# Altium PCB BlueberryPiCore.PcbDoc (part 3 of 3)
Units mm, origin at the board's own origin, x right, y up, seen from the top; angles counter-clockwise.
Board outline 31 x 24 mm, 6 copper layers (Top Layer, GND1, SIG1, SIG2, PWR, Bottom Layer), stack 0.748 mm thick; 90 components, 183 nets, 829 pads, 387 vias.
Unrouted connection lines stored in the file: 15.
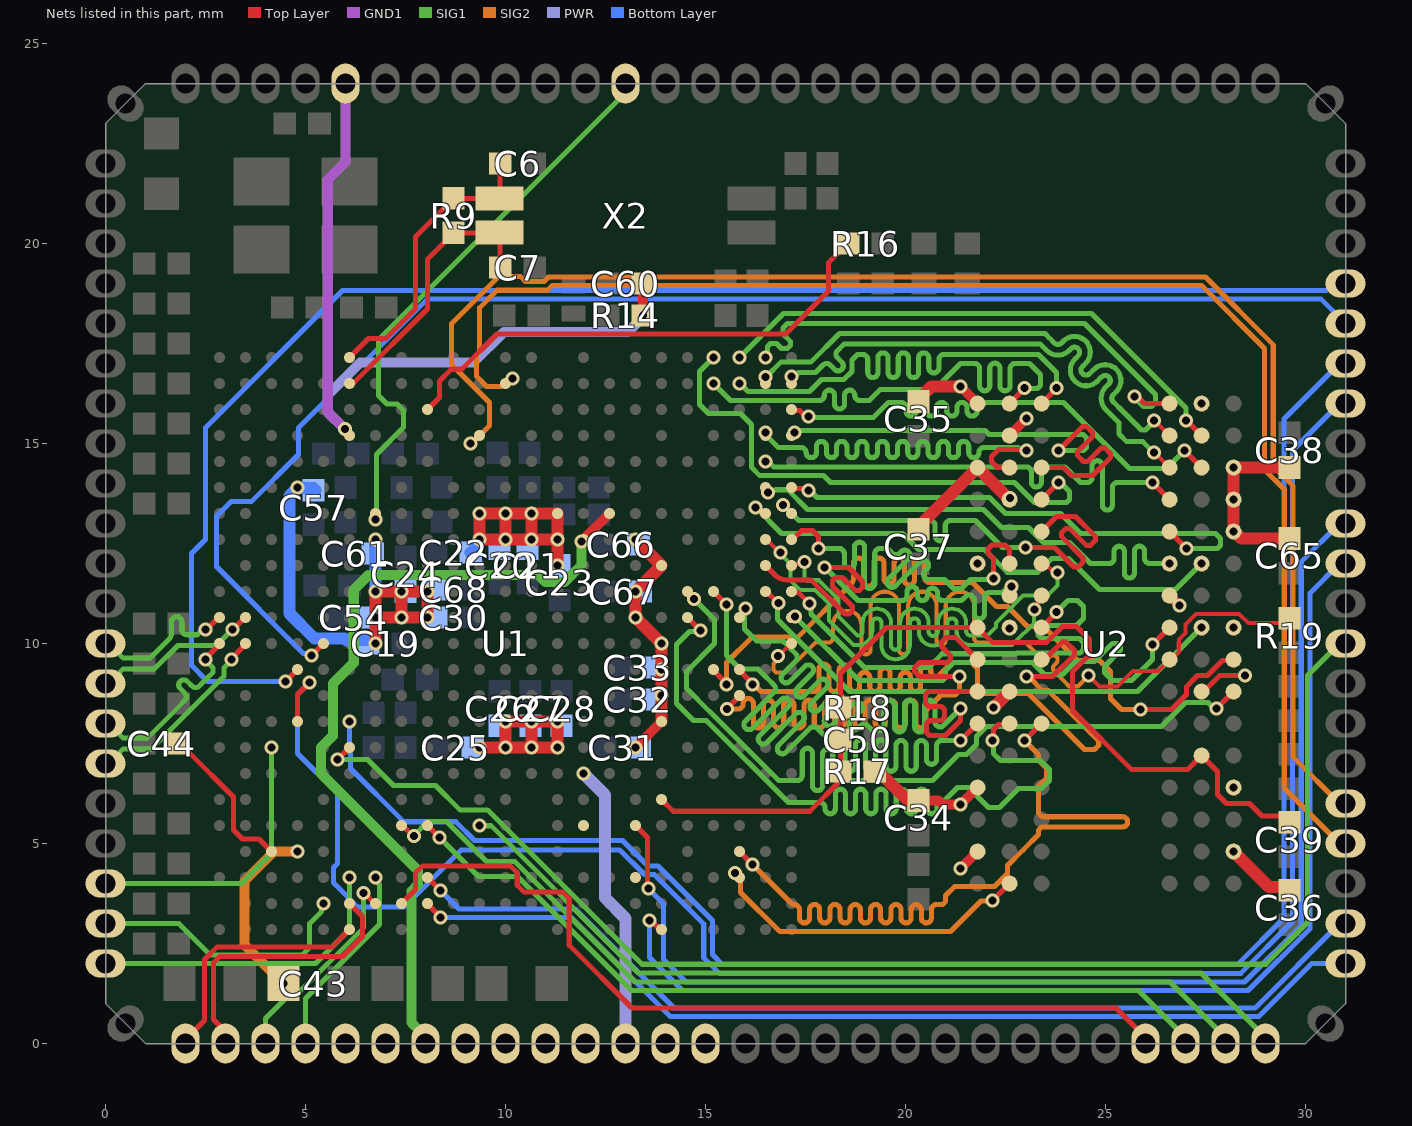
[diagram p7: the nets of this part, all layers, seen from the top]

## Via types
v1: diameter 0.35, hole 0.2, Top Layer to Bottom Layer, tented both sides, 387 vias

## Nets (pads, with @x,y where several pads share a name; then routed paths per layer and width w, separated by ;. In a path a pad name is that pad's centre, name@x,y a point inside that pad or via, vN(x,y) a via of type N, cw(c..) or ccw(c..) an arc to the next point about the centre after c; other vN are vias at no path point) (continued)
SCK_P: R19.1 U1.AC12 U2.J7 | length 25.3
  Top Layer w0.102: v1(16.813,9.687) 16.825,9.687 17.138,10 U1.AC12@17.15,10 ; v1(24.575,9.198) 24.847,8.926 25.3,8.926 25.689,9.314 26.314,9.314 U2.J7@26.6,9.6 26.649,9.6 26.832,9.783 26.832,9.867 26.831,10.031 ; 26.832,10.032 26.832,10.095 27,10.264 27,10.481 27.259,10.74 28.341,10.74 28.569,10.512 29.479,10.512 R19.1@29.6,10.633
  SIG2 w0.102: v1(16.813,9.687) 16.813,9.607 16.699,9.494 16.699,9.342 16.766,9.275 17,9.275 17.75,10.025 17.9,10.025 18.071,10.025 ccw(c18.071,10.139) 18.186,10.139 18.186,10.463 cw(c18.541,10.463) 18.897,10.463 18.897,9.844 ccw(c19.011,9.844) 19.126,9.844 19.126,10.939 cw(c19.481,10.939) 19.837,10.939 19.837,9.844 ccw(c19.951,9.844) 20.065,9.844 20.065,10.939 cw(c20.421,10.939) 20.777,10.939 20.777,10.084 ccw(c20.891,10.084) 21.005,10.084 21.005,10.939 cw(c21.361,10.939) 21.716,10.939 21.716,10.139 ccw(c21.831,10.139) 21.831,10.025 22.45,10.025 22.997,10.025 23.361,9.661 23.397,9.625 ccw(c23.478,9.706) 23.558,9.625 23.608,9.675 cw(c23.689,9.594) 23.77,9.675 cw(c23.689,9.594) 23.77,9.513 23.72,9.463 ccw(c23.801,9.382) 23.72,9.302 23.948,9.073 24.09,8.932 24.309,8.932 v1(24.575,9.198)
SCKE0: U1.W14 U2.K9 | length 22
  Top Layer w0.127: U1.W14@14.55,11.3 14.55,11.288 14.712,11.126 v1(14.712,11.113) ; v1(27.775,8.375) U2.K9@28.2,8.8
  SIG1 w0.127: v1(14.712,11.113) 15.227,10.598 15.227,10.002 14.522,9.297 14.522,8.879 15.108,8.293 15.11,8.293 16.829,6.575 16.954,6.575 17.291,6.575 ccw(c17.291,6.702) 17.418,6.702 17.418,7.256 cw(c17.545,7.256) 17.672,7.256 17.672,6.45 ccw(c17.799,6.45) 17.926,6.45 17.926,7.232 cw(c18.053,7.232) 18.18,7.232 18.18,6.702 ccw(c18.307,6.702) 18.307,6.575 18.625,6.575 20.677,6.575 21.324,7.223 21.521,7.223 21.775,7.477 21.775,7.673 22.029,7.927 26.402,7.927 27,8.525 27.564,8.525 27.714,8.375 v1(27.775,8.375)
SCKE1: U1.Y11 U2.J9 | length 21.3
  Top Layer w0.127: U1.Y11@15.2,9.35 15.2,9.327 15.525,9.002 v1(15.525,8.98) ; v1(25.875,8.35) 25.877,8.352 26.651,8.352 27.023,8.725 27.023,8.922 27.301,9.199 27.549,9.199 27.926,9.576 28.176,9.576 U2.J9@28.2,9.6
  SIG2 w0.127: v1(15.525,8.98) 15.525,9.523 16.161,10.159 17.309,10.159 18.573,11.423 18.636,11.486 ccw(c18.483,11.639) 18.7,11.639 18.7,12.009 cw(c18.827,12.009) 18.954,12.009 18.954,11.557 ccw(c19.081,11.557) 19.208,11.557 19.208,12.009 cw(c19.335,12.009) 19.462,12.009 19.462,11.625 ccw(c19.589,11.625) 19.716,11.625 19.716,12.009 cw(c19.843,12.009) 19.97,12.009 19.97,11.589 ccw(c20.097,11.589) 20.224,11.589 20.224,12.009 cw(c20.351,12.009) 20.478,12.009 20.478,11.652 ccw(c20.605,11.652) 20.605,11.525 21.223,11.525 21.675,11.525 22.275,10.925 22.547,10.925 23.047,10.425 23.45,10.425 24.3,9.575 24.85,9.575 25.123,9.302 25.123,8.627 25.4,8.35 v1(25.875,8.35)
SCS0: U1.W13 U2.L2 | length 22
  Top Layer w0.127: U1.W13@14.55,10.65 v1(14.875,10.325) ; v1(22.175,7.575) 22.199,7.599 22.199,7.849 22.326,7.976 22.576,7.976 U2.L2@22.6,8
  SIG1 w0.127: v1(14.875,10.325) 14.851,10.301 14.601,10.301 14.275,9.975 14.275,8.5 14.697,8.078 15.021,8.078 17.073,6.025 17.2,6.025 17.863,6.025 cw(c17.863,5.898) 17.99,5.898 17.99,5.87 ccw(c18.117,5.87) 18.244,5.87 18.244,6.232 cw(c18.371,6.232) 18.498,6.232 18.498,5.87 ccw(c18.625,5.87) 18.752,5.87 18.752,6.232 cw(c18.879,6.232) 19.006,6.232 19.006,5.87 ccw(c19.133,5.87) 19.26,5.87 19.26,6.232 cw(c19.387,6.232) 19.514,6.232 19.514,5.87 ccw(c19.641,5.87) 19.768,5.87 19.768,6.232 cw(c19.895,6.232) 20.022,6.232 20.022,5.87 ccw(c20.149,5.87) 20.276,5.87 20.276,6.232 cw(c20.403,6.232) 20.53,6.232 20.53,5.87 ccw(c20.657,5.87) 20.784,5.87 20.784,5.898 cw(c20.911,5.898) 20.911,6.025 20.927,6.025 20.975,6.073 21.302,6.4 21.575,6.4 22.075,5.9 22.35,5.9 22.825,6.375 23.4,6.375 23.6,6.575 23.6,6.85 23.375,7.075 22.373,7.075 22.195,7.253 22.195,7.555 v1(22.175,7.575)
SCS1: U1.Y14 U2.L1 | length 22
  Top Layer w0.127: U1.Y14@15.2,11.3 v1(15.525,10.975) ; v1(21.375,7.575) U2.L1@21.8,8
  SIG1 w0.127: v1(15.525,10.975) 15.525,9.7 15.865,9.36 16.315,9.36 16.525,9.15 16.57,9.105 16.715,8.96 cw(c16.625,8.87) 16.715,8.78 15.997,8.062 ccw(c16.086,7.972) 15.997,7.882 ccw(c16.086,7.972) 16.176,7.882 16.895,8.601 cw(c16.984,8.511) 17.074,8.601 cw(c16.984,8.511) 17.074,8.421 16.356,7.703 ccw(c16.446,7.613) 16.356,7.523 ccw(c16.446,7.613) 16.535,7.523 17.254,8.242 cw(c17.344,8.152) 17.433,8.242 cw(c17.344,8.152) 17.433,8.062 16.832,7.46 ccw(c16.921,7.371) 16.832,7.281 ccw(c16.921,7.371) 17.011,7.281 17.613,7.882 cw(c17.703,7.793) 17.793,7.882 17.838,7.838 18.046,7.629 18.1,7.575 18.364,7.575 cw(c18.364,7.448) 18.491,7.448 18.491,6.933 ccw(c18.618,6.933) 18.745,6.933 18.745,7.464 cw(c18.872,7.464) 18.999,7.464 18.999,6.933 ccw(c19.126,6.933) 19.253,6.933 19.253,7.464 cw(c19.38,7.464) 19.507,7.464 19.507,6.933 ccw(c19.634,6.933) 19.761,6.933 19.761,7.448 cw(c19.888,7.448) 20.015,7.448 20.015,6.933 ccw(c20.142,6.933) 20.269,6.933 20.269,7.448 cw(c20.396,7.448) 20.523,7.448 20.523,7.107 ccw(c20.65,7.107) 20.777,7.107 20.777,7.448 cw(c20.904,7.448) 20.904,7.575 21.327,7.575 v1(21.375,7.575)
SDC0-CLK: pad.23 U1.F2 | length 7.1
  Top Layer w0.127: pad.23@3,0 3,0.3 2.7,0.6 2.7,2.02 2.855,2.175 5.925,2.175 6.425,2.675 6.425,3.175 U1.F2@6.1,3.5
SDC0-CMD: pad.25 U1.G3 | length 5
  SIG1 w0.127: pad.25@5,0 5,1.125 6.85,2.975 6.85,3.976 6.75,4.076 v1(6.75,4.15)
SDC0-D0: pad.21 U1.F3 | length 7.7
  SIG1 w0.127: pad.21@0.009,2 5.25,2 6.1,2.85 v1(6.1,4.15)
SDC0-D1: pad.20 U1.E2 | length 6.7
  SIG1 w0.127: pad.20@0,3 1.831,3 2.615,2.216 4.916,2.216 5.098,2.398 5.098,2.996 5.398,3.296 5.398,3.448 v1(5.45,3.5)
SDC0-D2: pad.24 U1.G2 | length 5.3
  Top Layer w0.127: v1(6.452,3.762) 6.47,3.762 6.732,3.5 U1.G2@6.75,3.5
  SIG1 w0.127: pad.24@4,0 4,0.625 4.523,1.148 4.703,1.148 6.452,2.897 v1(6.452,3.762)
SDC0-D3: pad.22 U1.F1 | length 6.2
  Top Layer w0.127: pad.22@2,0 2,0.1 2.475,0.575 2.475,2.1 2.783,2.408 5.658,2.408 U1.F1@6.1,2.85
SDC0-DET: pad.19 U1.C8 | length 7.1
  SIG1 w0.127: pad.19@0,4 3.4,4 4.15,4.75 v1(4.15,7.4)
SDQ0: U1.AB18 U2.F7 | length 12.8
  SIG1 w0.127: v1(16.564,13.775) 16.616,13.827 16.727,13.827 16.745,13.845 17.057,13.845 17.552,13.35 21.95,13.35 22.4,12.9 23.075,12.9 23.45,12.525 24.1,12.525 24.625,12 25.025,12 25.089,12 ccw(c25.089,12.127) 25.216,12.127 25.216,12.304 cw(c25.343,12.304) 25.47,12.304 25.47,11.764 ccw(c25.597,11.764) 25.724,11.764 25.724,12.304 cw(c25.851,12.304) 25.978,12.304 25.978,12.127 ccw(c26.105,12.127) 26.105,12 26.3,12 v1(26.6,12)
SDQ1: U1.AC17 U2.E3 | length 12.9
  Top Layer w0.127: v1(23,12.4) 23.725,12.4 24.21,11.915 24.315,11.915 24.435,12.035 24.435,12.14 23.903,12.672 23.903,12.778 23.997,12.872 24.103,12.872 24.52,12.455 24.626,12.455 24.745,12.574 24.745,12.68 24.25,13.175 23.775,13.175 U2.E3@23.4,12.8
  SIG1 w0.127: v1(16.94,13.463) 17.328,13.075 20.296,13.075 20.613,13.075 cw(c20.613,12.948) 20.74,12.948 20.74,12.695 ccw(c20.867,12.695) 20.994,12.695 20.994,12.948 cw(c21.121,12.948) 21.121,13.075 21.44,13.075 21.75,13.075 22.425,12.4 v1(23,12.4)
SDQ2: U1.AB17 U2.F8 | length 12.9
  Top Layer w0.127: v1(16.253,13.398) 16.311,13.398 16.459,13.25 U1.AB17@16.5,13.25
  SIG1 w0.127: v1(16.253,13.398) 16.9,12.75 19.925,12.75 20.323,12.352 21.971,12.352 22.542,11.781 23.308,11.781 23.654,12.127 24.073,12.127 24.85,11.35 26.75,11.35 v1(27.4,12)
SDQ3: U1.AC16 U2.F2 | length 12.9
  Top Layer w0.127: U1.AC16@17.15,12.6 17.181,12.6 17.406,12.825 17.675,12.825 17.825,12.675 v1(17.825,12.375) ; v1(22.2,11.625) 22.2,12.123 22.064,12.259 22.064,12.364 22.163,12.463 22.487,12.463 22.6,12.35 U2.F2@22.6,12
  SIG1 w0.127: v1(17.825,12.375) 18.025,12.375 18.343,12.375 cw(c18.343,12.248) 18.47,12.248 18.47,12.013 ccw(c18.597,12.013) 18.724,12.013 18.724,12.407 cw(c18.851,12.407) 18.978,12.407 18.978,11.505 ccw(c19.105,11.505) 19.232,11.505 19.232,12.248 cw(c19.359,12.248) 19.359,12.375 19.55,12.375 19.625,12.3 19.67,12.255 ccw(c19.76,12.345) 19.85,12.255 19.892,12.298 cw(c19.982,12.208) 20.072,12.298 cw(c19.982,12.208) 20.072,12.118 19.575,11.622 ccw(c19.665,11.532) 19.575,11.442 ccw(c19.665,11.532) 19.755,11.442 20.36,12.047 cw(c20.449,11.957) 20.539,12.047 cw(c20.449,11.957) 20.539,11.867 20.489,11.817 ccw(c20.579,11.727) 20.579,11.6 20.975,11.6 21.2,11.375 21.4,11.375 21.625,11.6 22.175,11.6 v1(22.2,11.625)
SDQ4: U1.AB15 U2.G2 | length 12.9
  Top Layer w0.127: U1.AB15@16.5,11.95 16.736,11.714 ; 16.736,11.714 ccw(c17.029,12.006) 17.029,11.592 ; 17.03,11.592 17.633,11.592 18.485,10.74 18.59,10.74 18.672,10.822 18.672,10.928 18.175,11.425 18.175,11.576 18.249,11.65 18.425,11.65 18.745,11.33 18.851,11.33 18.925,11.404 18.925,11.55 18.575,11.9 v1(17.975,11.9)
  SIG1 w0.127: v1@17.998,11.889 18.813,11.075 19.85,11.075 19.914,11.075 ccw(c19.914,11.202) 20.041,11.202 20.041,11.295 cw(c20.168,11.295) 20.295,11.295 20.295,11.201 ccw(c20.422,11.201) 20.549,11.201 20.549,11.257 cw(c20.676,11.257) 20.803,11.257 20.803,11.202 ccw(c20.93,11.202) 20.93,11.075 21.125,11.075 21.275,11.075 21.4,11.075 21.503,11.178 cw(c21.593,11.088) 21.72,11.088 21.72,10.742 ccw(c21.847,10.742) 21.974,10.742 21.974,11.146 cw(c22.101,11.146) 22.101,11.273 22.3,11.273 22.418,11.273 22.574,11.429 v1(22.648,11.429)
SDQ5: U1.AB14 U2.H8 | length 12.9
  Top Layer w0.127: U1.AB14@16.5,11.3 16.523,11.3 16.805,11.018 v1(16.827,11.018)
  SIG1 w0.127: v1(16.827,11.018) 16.798,10.988 16.798,10.602 18.6,8.8 25.8,8.8 v1(27.4,10.4)
SDQ6: U1.AC14 U2.H3 | length 12.8
  Top Layer w0.127: U1.AC14@17.15,11.3 17.178,11.272 17.328,11.272 v1(17.6,11) ; U2.H3@23.4,10.4 v1@23.775,10.775
  SIG1 w0.127: v1(17.6,11) 17.637,10.963 17.637,10.738 18.975,9.4 20.575,9.4 20.918,9.743 ; 20.918,9.743 22.756,9.743 22.778,9.766 24.366,9.766 24.45,9.85 24.45,10.025 24.35,10.125 23.391,10.125 23.317,10.199 23.317,10.305 23.462,10.45 24.275,10.45 24.45,10.625 24.45,10.925 24.3,11.075 24.062,11.075 v1(23.775,10.787)
SDQ7: U1.AC13 U2.H7 | length 12.8
  Top Layer w0.127: v1(26.175,9.975) U2.H7@26.6,10.4
  SIG1 w0.127: v1(17.239,10.67) 18.834,9.075 20.923,9.075 20.998,9.149 20.998,9.321 21.204,9.527 23.171,9.527 23.473,9.225 23.925,9.225 24.25,9.55 24.721,9.55 25.171,10 25.296,10 25.37,9.926 25.37,9.82 24.974,9.424 24.974,9.276 25.175,9.075 25.65,9.075 26.175,9.6 v1(26.175,9.975)
SDQ8: U1.AB19 U2.D7 | length 13.4
  Top Layer w0.127: v1(26.175,14.025) U2.D7@26.6,13.6
  SIG1 w0.127: v1(16.5,14.55) 16.574,14.55 16.708,14.416 22.7,14.416 23.018,14.416 cw(c23.018,14.289) 23.145,14.289 23.145,14.037 ccw(c23.272,14.037) 23.399,14.037 23.399,14.289 cw(c23.526,14.289) 23.526,14.416 23.825,14.416 23.984,14.416 24.375,14.025 24.475,14.025 24.539,14.025 ccw(c24.539,14.152) 24.666,14.152 24.666,14.445 cw(c24.793,14.445) 24.92,14.445 24.92,13.463 ccw(c25.047,13.463) 25.174,13.463 25.174,13.898 cw(c25.301,13.898) 25.301,14.025 25.55,14.025 v1(26.175,14.025)
SDQ9: U1.AC20 U2.C3 | length 13.4
  Top Layer w0.127: U2.C3@23.4,14.4 23.95,14.4 24.15,14.2 24.675,14.2 25.122,14.647 25.122,14.753 24.99,14.885 24.885,14.885 24.553,14.553 24.447,14.553 24.304,14.696 24.304,14.801 24.674,15.171 24.674,15.276 24.528,15.422 24.422,15.422 v1(23.825,14.825)
  SIG1 w0.127: v1(17.225,15.275) 17.273,15.323 21.991,15.323 22.088,15.225 24.445,15.225 24.525,15.145 24.525,14.899 24.451,14.825 v1(23.825,14.825)
SDQ10: U1.AC21 U2.C8 | length 13.4
  Top Layer w0.127: U1.AC21@17.15,15.85 17.179,15.821 17.356,15.821 17.501,15.675 v1(17.575,15.675) ; v1(26.975,14.825) U2.C8@27.4,14.4
  SIG1 w0.127: v1(17.575,15.675) 17.602,15.648 19.193,15.648 19.57,16.025 19.888,16.025 cw(c19.888,15.898) 20.015,15.898 20.015,15.81 ccw(c20.142,15.81) 20.269,15.81 20.269,15.899 cw(c20.396,15.899) 20.523,15.899 20.523,15.81 ccw(c20.65,15.81) 20.777,15.81 20.777,15.899 cw(c20.904,15.899) 21.031,15.899 21.031,15.81 ccw(c21.158,15.81) 21.285,15.81 21.285,15.899 cw(c21.412,15.899) 21.539,15.899 21.539,15.81 ccw(c21.666,15.81) 21.793,15.81 21.793,15.898 cw(c21.92,15.898) 21.92,16.025 22.275,16.025 23.95,16.025 25.6,14.375 26.027,14.375 26.029,14.377 26.321,14.377 26.323,14.375 26.525,14.375 v1(26.975,14.825)
SDQ11: U1.AB20 U2.C2 | length 13.4
  Top Layer w0.127: U2.C2@22.6,14.4 22.298,14.4 22.152,14.546 22.152,14.677 22.322,14.847 23.001,14.847 v1(23.024,14.825)
  SIG1 w0.127: v1(16.5,15.279) 16.5,15.22 16.82,14.9 17.175,14.9 17.389,14.9 cw(c17.389,14.773) 17.516,14.773 ; 17.516,14.773 ccw(c17.643,14.773) 17.77,14.773 17.77,14.927 cw(c17.897,14.927) 18.024,14.927 18.024,14.773 ccw(c18.151,14.773) 18.278,14.773 18.278,14.927 cw(c18.405,14.927) 18.532,14.927 18.532,14.773 ccw(c18.659,14.773) 18.786,14.773 18.786,14.927 cw(c18.913,14.927) 19.04,14.927 19.04,14.773 ccw(c19.167,14.773) 19.294,14.773 19.294,14.927 cw(c19.421,14.927) 19.548,14.927 19.548,14.773 ccw(c19.675,14.773) 19.802,14.773 19.802,14.927 cw(c19.929,14.927) 20.056,14.927 20.056,14.773 ccw(c20.183,14.773) 20.31,14.773 20.31,14.927 cw(c20.437,14.927) 20.564,14.927 20.564,14.773 ccw(c20.691,14.773) 20.818,14.773 20.818,14.927 cw(c20.945,14.927) 21.072,14.927 21.072,14.773 ccw(c21.199,14.773) 21.326,14.773 21.326,14.927 cw(c21.453,14.927) 21.58,14.927 21.58,14.773 ccw(c21.707,14.773) 21.834,14.773 ; 21.834,14.773 cw(c21.961,14.773) 21.961,14.9 22.025,14.9 22.813,14.9 22.836,14.877 22.972,14.877 v1(23.024,14.825)
SDQ12: U1.AB23 U2.A7 | length 13.4
  Top Layer w0.127: v1(25.725,16.175) 25.799,16.175 25.974,16 U2.A7@26.6,16
  SIG1 w0.127: v1(16.5,17.15) 16.548,17.198 16.548,17.426 16.622,17.5 16.775,17.5 16.9,17.375 17.046,17.375 17.12,17.449 17.12,17.555 16.937,17.738 16.937,17.888 17.05,18 24.475,18 26.25,16.225 26.25,16.025 26.152,15.927 25.948,15.927 25.725,16.15 v1(25.725,16.175)
SDQ13: U1.AA23 U2.B8 | length 13.4
  Top Layer w0.127: v1@27.025,15.575 U2.B8@27.4,15.2
  SIG1 w0.127: v1(15.85,17.15) 16.95,18.25 24.65,18.25 27.012,15.888 v1(27.012,15.575)
SDQ14: U1.AA22 U2.A3 | length 13.4
  Top Layer w0.127: U2.A3@23.4,16 v1@23.775,16.375
  SIG1 w0.127: v1(15.85,16.5) 15.861,16.5 16.061,16.3 17.6,16.3 17.9,16.6 18.459,16.6 18.66,16.801 18.66,17.085 18.675,17.101 18.799,17.225 18.929,17.225 cw(c18.929,17.098) 19.056,17.098 19.056,16.774 ccw(c19.183,16.774) 19.31,16.774 19.31,17.14 cw(c19.437,17.14) 19.564,17.14 19.564,16.774 ccw(c19.691,16.774) 19.818,16.774 19.818,17.14 cw(c19.945,17.14) 20.072,17.14 20.072,16.774 ccw(c20.199,16.774) 20.326,16.774 20.326,17.14 cw(c20.453,17.14) 20.58,17.14 20.58,16.891 ccw(c20.707,16.891) 20.834,16.891 20.834,17.098 cw(c20.961,17.098) 20.961,17.225 21.152,17.225 23.325,17.225 23.775,16.775 v1(23.775,16.387)
SDQ15: U1.Y22 U2.A2 | length 13.4
  Top Layer w0.127: U2.A2@22.6,16 v1@22.975,16.375
  SIG1 w0.127: v1(15.2,16.5) 15.625,16.075 16.763,16.075 17.842,16.075 ccw(c17.842,16.202) 17.969,16.202 17.969,16.208 cw(c18.096,16.208) 18.223,16.208 18.223,15.99 ccw(c18.35,15.99) 18.477,15.99 18.477,16.208 cw(c18.604,16.208) 18.731,16.208 18.731,16.202 ccw(c18.858,16.202) 18.858,16.075 19.068,16.075 19.093,16.075 19.368,16.35 20.725,16.35 20.963,16.588 21.375,17 21.725,17 cw(c21.725,16.873) 21.852,16.873 21.852,16.444 ccw(c21.979,16.444) 22.106,16.444 22.106,16.882 cw(c22.233,16.882) 22.36,16.882 22.36,16.444 ccw(c22.487,16.444) 22.614,16.444 22.614,16.873 cw(c22.741,16.873) 22.741,17 22.975,17 23.1,17 23.375,16.725 23.375,16.45 23.3,16.375 22.987,16.375 v1(22.975,16.387)
SDQM0: U1.AC18 U2.E7 | length 12.8
  Top Layer w0.127: U1.AC18@17.15,13.9 17.179,13.871 v1@17.529,13.871 ; U2.E7@26.6,12.8 v1(27.025,12.375)
  SIG1 w0.127: v1(17.575,13.825) 17.611,13.825 17.788,13.648 22.102,13.648 22.5,13.25 23.252,13.25 23.254,13.248 23.546,13.248 23.548,13.25 23.875,13.25 24.375,12.75 27.752,12.75 27.875,12.627 27.875,12.45 27.801,12.375 v1(27.025,12.375)
SDQM1: U1.Y23 U2.D3 | length 13.4
  Top Layer w0.127: U2.D3@23.4,13.6 v1(23.825,14.025)
  SIG1 w0.127: v1(15.2,17.15) 14.847,16.798 14.847,15.978 15.075,15.75 15.875,15.75 16.148,15.477 16.148,14.404 16.354,14.198 16.646,14.198 16.649,14.2 17.95,14.2 18.125,14.025 22.724,14.025 23.224,13.525 24.026,13.525 24.1,13.599 24.1,13.8 23.875,14.025 v1(23.825,14.025)
SDQS0_N: U1.AB16 U2.G3 | length 12.9
  Top Layer w0.102: U1.AB16@16.5,12.6 16.523,12.6 16.848,12.275 v1(16.87,12.275) ; v1(23.225,10.857) 23.282,10.914 23.282,11.002 23.4,11.119 U2.G3@23.4,11.2
  SIG1 w0.102: v1(16.87,12.275) 16.87,12.241 17.125,11.986 17.125,11.575 17.36,11.34 17.741,11.34 18.085,10.996 18.085,10.578 18.641,10.022 18.704,9.959 18.812,9.959 ccw(c18.812,10.314) 19.168,10.314 19.168,10.516 cw(c19.282,10.516) 19.282,10.63 cw(c19.282,10.516) 19.396,10.516 19.396,9.959 ccw(c19.752,9.959) 19.752,9.603 ccw(c19.752,9.959) 20.107,9.959 20.107,10.516 cw(c20.222,10.516) 20.222,10.63 cw(c20.222,10.516) 20.336,10.516 20.336,10.302 ccw(c20.692,10.302) 20.692,9.947 ccw(c20.692,10.302) 21.047,10.302 21.047,10.516 cw(c21.162,10.516) 21.162,10.63 cw(c21.162,10.516) 21.276,10.516 21.276,10.314 ccw(c21.631,10.314) 21.631,9.959 22.049,9.959 22.659,9.959 22.734,10.034 22.741,10.034 23.211,10.504 23.211,10.842 v1(23.225,10.857)
SDQS0_P: U1.AC15 U2.F3 | length 12.9
  Top Layer w0.102: U1.AC15@17.15,11.95 17.184,11.984 17.425,11.984 v1(17.475,12.034) ; U2.F3@23.4,12 23.481,12 23.649,11.832 23.743,11.832 v1(23.8,11.775)
  SIG1 w0.102: v1(17.475,12.034) 17.475,11.641 17.535,11.581 17.841,11.581 18.326,11.096 18.326,10.678 18.641,10.363 18.804,10.2 18.812,10.2 ccw(c18.812,10.314) 18.926,10.314 18.926,10.516 cw(c19.282,10.516) 19.282,10.872 cw(c19.282,10.516) 19.638,10.516 19.638,9.959 ccw(c19.752,9.959) 19.752,9.845 ccw(c19.752,9.959) 19.866,9.959 19.866,10.516 cw(c20.222,10.516) 20.222,10.872 cw(c20.222,10.516) 20.577,10.516 20.577,10.302 ccw(c20.692,10.302) 20.692,10.188 ccw(c20.692,10.302) 20.806,10.302 20.806,10.516 cw(c21.162,10.516) 21.162,10.872 cw(c21.162,10.516) 21.517,10.516 21.517,10.314 ccw(c21.631,10.314) 21.631,10.2 22.049,10.2 22.26,10.411 22.26,10.515 22.459,10.714 22.943,11.196 23.546,11.196 23.8,11.45 v1(23.8,11.775)
SDQS1_N: U1.AB22 U2.B7 | length 13.4
  Top Layer w0.102: v1@26.225,15.575 U2.B7@26.6,15.2
  SIG1 w0.127: v1(16.5,16.661) 16.51,16.661 16.89,17.042 17.64,17.042 18.348,17.75 23.485,17.75 23.581,17.654 23.682,17.554 23.721,17.515 ccw(c23.81,17.604) 23.9,17.515 23.947,17.561 cw(c24.225,17.283) 24.458,17.6 24.464,17.6 24.503,17.561 ; 24.503,17.004 24.425,16.926 ccw(c24.515,16.836) 24.425,16.746 ccw(c24.515,16.836) 24.604,16.746 24.713,16.855 cw(c24.991,16.576) 25.224,16.894 25.231,16.894 25.269,16.855 25.309,16.816 25.309,16.809 cw(c24.991,16.576) 25.27,16.298 ; 24.503,17.004 ccw(c24.225,17.283) 24.542,17.515 24.542,17.522 24.504,17.561 ; 25.269,16.297 25.193,16.221 ccw(c25.283,16.132) 25.193,16.042 25.425,15.811 25.525,15.71 25.897,15.339 26.002,15.339 26.213,15.55 v1(26.213,15.575)
SDQS1_P: U1.AC22 U2.C7 | length 13.4
  Top Layer w0.102: v1@26.225,14.775 U2.C7@26.6,14.4
  SIG1 w0.127: v1(17.15,16.675) 17.224,16.675 17.324,16.775 17.677,16.775 17.751,16.775 17.938,16.963 cw(c18.028,16.873) 18.118,16.963 18.227,16.854 ccw(c18.317,16.943) 18.406,16.854 ccw(c18.317,16.943) 18.406,17.033 18.297,17.142 cw(c18.387,17.232) 18.297,17.322 18.433,17.457 18.459,17.483 23.375,17.483 23.393,17.465 23.493,17.365 23.531,17.327 ccw(c23.81,17.604) 24.09,17.327 24.135,17.372 cw(c24.225,17.283) 24.315,17.193 24.236,17.114 ccw(c24.515,16.836) 24.236,16.557 ccw(c24.515,16.836) 24.793,16.557 24.902,16.666 cw(c24.991,16.576) 25.082,16.487 25.006,16.411 ccw(c25.283,16.132) 25.006,15.853 25.236,15.622 25.336,15.522 25.336,15.239 25.528,15.047 25.932,15.047 26.204,14.775 v1(26.213,14.775)
SODT0: U1.AA13 U2.K1 | length 22.1
  Top Layer w0.127: U1.AA13@15.85,10.65 15.85,10.686 16.004,10.84 v1(16.004,10.876) ; v1(21.375,8.375) 21.375,8.073 21.002,7.7 20.599,7.7 20.525,7.774 20.525,8.001 20.599,8.075 20.901,8.075 20.975,8.149 20.975,8.351 20.901,8.425 20.574,8.425 20.5,8.499 20.5,8.726 20.574,8.8 U2.K1@21.8,8.8
  SIG1 w0.127: v1(16.004,10.876) 15.977,10.849 15.977,10.365 16.278,10.065 16.935,10.065 17.069,9.931 17.114,9.886 17.258,9.742 cw(c17.168,9.653) 17.258,9.563 16.927,9.233 ccw(c17.017,9.143) 16.927,9.053 ccw(c17.017,9.143) 17.107,9.053 17.485,9.431 cw(c17.574,9.341) 17.664,9.431 cw(c17.574,9.341) 17.664,9.251 17.287,8.873 ccw(c17.376,8.784) 17.287,8.694 ccw(c17.376,8.784) 17.466,8.694 17.844,9.071 cw(c17.934,8.982) 18.023,9.071 cw(c17.934,8.982) 18.023,8.892 17.646,8.514 ccw(c17.736,8.424) 17.646,8.335 ccw(c17.736,8.424) 17.825,8.335 18.203,8.712 cw(c18.293,8.622) 18.383,8.712 cw(c18.293,8.622) 18.383,8.533 18.005,8.155 ccw(c18.095,8.065) 18.005,7.975 ccw(c18.095,8.065) 18.185,7.975 18.704,8.494 cw(c18.793,8.404) 18.883,8.494 cw(c18.793,8.404) 18.883,8.315 18.629,8.06 ccw(c18.719,7.97) 18.629,7.881 ccw(c18.719,7.97) 18.808,7.881 18.874,7.946 cw(c18.964,7.857) 19.054,7.946 19.099,7.901 19.175,7.825 19.275,7.825 19.339,7.825 ccw(c19.339,7.952) 19.466,7.952 19.466,8.457 cw(c19.593,8.457) 19.72,8.457 19.72,7.918 ccw(c19.847,7.918) 19.974,7.918 19.974,8.457 cw(c20.101,8.457) 20.228,8.457 20.228,7.918 ccw(c20.355,7.918) 20.482,7.918 20.482,8.457 cw(c20.609,8.457) 20.736,8.457 20.736,8.042 ccw(c20.863,8.042) 20.952,7.952 21.35,8.35 v1(21.375,8.375)
SODT1: U1.AA10 U2.J1 | length 21.3
  Top Layer w0.127: v1(15.539,8.364) 15.539,8.376 15.85,8.688 U1.AA10@15.85,8.7 ; v1(21.35,9.175) 20.35,9.175 20.228,9.297 20.228,9.403 20.35,9.525 21.046,9.525 21.12,9.599 21.12,9.705 20.9,9.925 20.9,10.03 21.024,10.155 21.245,10.155 U2.J1@21.8,9.6 U2.J1@21.787,9.6
  SIG2 w0.127: v1(15.539,8.364) 15.75,8.364 15.814,8.364 ccw(c15.814,8.491) 15.941,8.491 15.941,8.5 cw(c16.068,8.5) 16.195,8.5 16.195,8.018 ccw(c16.322,8.018) 16.449,8.018 16.449,8.457 cw(c16.576,8.457) 16.703,8.457 16.703,8.018 ccw(c16.83,8.018) 16.957,8.018 16.957,8.457 cw(c17.084,8.457) 17.211,8.457 17.211,8.018 ccw(c17.338,8.018) 17.465,8.018 17.465,8.457 cw(c17.592,8.457) 17.719,8.457 17.719,8.018 ccw(c17.846,8.018) 17.973,8.018 17.973,8.457 cw(c18.1,8.457) 18.227,8.457 18.227,8.018 ccw(c18.354,8.018) 18.481,8.018 18.481,8.457 cw(c18.608,8.457) 18.735,8.457 18.735,8.018 ccw(c18.862,8.018) 18.989,8.018 18.989,8.457 cw(c19.116,8.457) 19.243,8.457 19.243,8.018 ccw(c19.37,8.018) 19.497,8.018 19.497,8.457 cw(c19.624,8.457) 19.751,8.457 19.751,8.018 ccw(c19.878,8.018) 20.005,8.018 20.005,8.457 cw(c20.132,8.457) 20.259,8.457 20.259,8.018 ccw(c20.386,8.018) 20.513,8.018 20.513,8.285 cw(c20.64,8.285) 20.55,8.375 20.865,8.69 20.89,8.715 21.24,8.715 21.35,8.825 v1(21.35,9.175)
SPI1-CLK: pad.66 U1.E12 | length 36.1
  Top Layer w0.127: v1(5.15,9.7) U1.E12@5.45,10
  Bottom Layer w0.127: v1(5.15,9.7) 5.098,9.752 4.946,9.752 2.775,11.923 2.775,13.183 3.139,13.548 3.646,13.548 4.825,14.727 4.825,14.955 4.825,15.393 8.041,18.609 30.391,18.609 pad.66@31,18
SPI1-CS: pad.67 U1.D11 | length 39
  Top Layer w0.127: v1(4.5,9.05) U1.D11@4.8,9.35
  Bottom Layer w0.127: v1(4.5,9.05) 2.552,9.05 2.148,9.454 2.148,12.25 2.497,12.599 2.497,15.395 5.927,18.825 30.52,18.825 30.695,19 pad.67@31,19
SPI1-MISO: pad.64 U1.D9 | length 47.4
  Top Layer w0.127: U1.D9@4.8,8.05 4.798,8.053 4.798,8.723 v1(5.1,9.025)
  Bottom Layer w0.127: v1(5.1,9.025) 4.798,8.723 4.798,7.251 5.802,6.246 5.802,4.502 5.7,4.4 5.7,4.016 6.307,3.41 7.461,3.41 8.891,4.84 11.066,4.84 11.068,4.843 12.852,4.843 13.472,4.223 13.721,4.223 14.957,2.987 14.957,2.138 15.34,1.754 28.383,1.754 29.677,3.049 29.677,14.827 30.85,16 pad.64@31,16
SPI1-MOSI: pad.65 U1.F9 | length 42.1
  Bottom Layer w0.127: v1(6.1,8.05) 6.1,7.263 6.127,7.236 6.127,6.874 7.457,5.545 8.757,5.545 9.227,5.075 12.925,5.075 13.561,4.439 13.81,4.439 15.173,3.076 15.173,2.227 15.43,1.97 28.294,1.97 29.461,3.138 29.461,15.611 30.85,17 pad.65@31,17
SRAS: U1.AA11 U2.J3 | length 21.3
  Top Layer w0.127: U1.AA11@15.85,9.35 15.85,9.327 16.175,9.002 v1(16.175,8.98) ; v1(23.025,9.175) 23.675,9.175 24.222,9.722 24.222,9.828 24.015,10.035 23.91,10.035 23.587,9.712 ; U2.J3@23.4,9.6 23.474,9.6 23.585,9.712
  SIG2 w0.127: v1(16.175,8.98) 16.206,8.98 16.386,8.8 16.63,8.8 17.709,8.8 ccw(c17.709,8.927) 17.836,8.927 17.836,9.356 cw(c17.963,9.356) 18.09,9.356 18.09,8.927 ccw(c18.217,8.927) 18.344,8.927 18.344,9.34 cw(c18.471,9.34) 18.598,9.34 18.598,8.927 ccw(c18.725,8.927) 18.852,8.927 18.852,9.159 cw(c18.979,9.159) 19.106,9.159 19.106,8.927 ccw(c19.233,8.927) 19.36,8.927 19.36,9.264 cw(c19.487,9.264) 19.614,9.264 19.614,8.927 ccw(c19.741,8.927) 19.868,8.927 19.868,9.159 cw(c19.995,9.159) 20.122,9.159 20.122,8.927 ccw(c20.249,8.927) 20.376,8.927 20.376,9.352 cw(c20.503,9.352) 20.63,9.352 20.63,9.301 ccw(c20.757,9.301) 20.847,9.211 21.163,9.527 21.65,9.527 21.8,9.377 21.8,8.85 21.898,8.752 23.073,8.752 24.475,7.35 24.725,7.35 24.831,7.456 24.831,7.562 23.906,8.487 23.572,8.822 23.434,8.822 23.08,9.175 v1(23.025,9.175)
SRST: U1.AA3 U2.T2 | length 8.3
  Top Layer w0.127: v1(15.732,4.268) U1.AA3@15.85,4.15 ; v1(22.175,3.575) U2.T2@22.6,4
  SIG2 w0.127: v1(15.732,4.268) 15.732,4.194 15.877,4.049 15.877,3.778 16.857,2.799 20.664,2.799 20.665,2.8 21.125,2.8 21.888,3.563 22.164,3.563 v1(22.175,3.575)
STATUS-LED: R16.1 U1.J21 | length 12.9
  Top Layer w0.127: U1.J21@8.05,15.85 8.35,16.15 8.35,16.564 8.644,16.858 8.906,16.858 9.789,17.741 17.003,17.741 18.075,18.813 18.075,19.521 18.554,20 R16.1@18.567,20
SVREF: C39.2 C50.2 R17.1 R18.2 U1.V6 U2.H1 U2.M8 | length 23.9
  Top Layer w0.127: U1.V6@13.9,6.1 14.192,5.808 17.608,5.808 18.375,6.575 18.375,7.009 18.359,7.025 18.375,7.041 18.375,9.25 19.525,10.4 U2.H1@21.8,10.4 22.178,10.022 23.52,10.022 23.923,10.425 24.275,10.425 24.6,10.1 24.6,9.721 24.175,9.296 24.175,8.327 25.654,6.848 27.048,6.848 U2.M8@27.4,7.2 27.8,6.8 27.8,6.225 28.025,6 28.6,6 28.912,5.688 29.587,5.688 C39.2@29.6,5.675
SWE: U1.AA4 U2.L3 | length 21.4
  Top Layer w0.127: U1.AA4@15.85,4.8 v1(16.175,4.475) ; v1(22.975,7.575) U2.L3@23.4,8
  SIG2 w0.127: v1(16.175,4.475) 16.775,3.875 17.175,3.475 17.22,3.475 cw(c17.22,3.348) 17.347,3.348 17.347,3.142 ccw(c17.474,3.142) 17.601,3.142 17.601,3.348 cw(c17.728,3.348) 17.855,3.348 17.855,3.142 ccw(c17.982,3.142) 18.109,3.142 18.109,3.348 cw(c18.236,3.348) 18.363,3.348 18.363,3.142 ccw(c18.49,3.142) 18.617,3.142 18.617,3.348 cw(c18.744,3.348) 18.871,3.348 18.871,3.142 ccw(c18.998,3.142) 19.125,3.142 19.125,3.348 cw(c19.252,3.348) 19.379,3.348 19.379,3.142 ccw(c19.506,3.142) 19.633,3.142 19.633,3.348 cw(c19.76,3.348) 19.887,3.348 19.887,3.142 ccw(c20.014,3.142) 20.141,3.142 20.141,3.348 cw(c20.268,3.348) 20.395,3.348 20.395,3.142 ccw(c20.522,3.142) 20.649,3.142 20.649,3.348 cw(c20.776,3.348) 20.776,3.475 20.915,3.475 20.926,3.475 20.978,3.527 21,3.549 21,3.698 21.229,3.927 21.727,3.927 22.226,3.927 22.551,4.253 22.551,4.45 22.945,4.844 23.325,5.223 23.325,5.288 cw(c23.452,5.288) 23.452,5.415 25.427,5.415 ccw(c25.427,5.542) 25.427,5.669 23.452,5.669 cw(c23.452,5.796) 23.325,5.796 23.325,5.827 23.327,5.829 23.327,6.25 23.327,6.375 23.327,6.439 23.52,6.631 23.52,6.885 23.325,7.08 23.325,7.153 23.325,7.225 v1(22.975,7.575)
TWI0-SCK: U1.U3
TWI0-SDA: U1.R5
UART3-RX: pad.60 U1.V1 | length 28.4
  Top Layer w0.127: v1(13.602,3.075) 13.639,3.075 13.864,2.85 U1.V1@13.9,2.85
  Bottom Layer w0.127: v1(13.602,3.075) 13.602,2.148 14.427,1.323 28.562,1.323 30.109,2.87 30.109,11.259 30.85,12 pad.60@31,12
UART3-TX: pad.61 U1.U5 | length 31
  Top Layer w0.127: U1.U5@13.25,5.45 13.548,5.152 13.548,3.898 v1(13.575,3.87)
  Bottom Layer w0.127: v1(13.575,3.87) 13.955,3.49 13.955,2.101 14.517,1.539 28.473,1.539 29.893,2.959 29.893,12.043 30.85,13 pad.61@31,13
UBOOT: pad.87 U1.G17 | length 14.2
  SIG1 w0.127: v1(6.75,13.1) 6.775,13.125 6.775,14.726 7.452,15.404 7.452,15.823 7.289,15.986 7.039,15.986 6.825,16.2 6.825,17.594 13,23.769 pad.87@13,24
USB0_N: pad.13 U1.A13 | length 4.2
  Top Layer w0.127: v1(2.5,10.35) 2.525,10.35 2.825,10.65 U1.A13@2.85,10.65
  SIG1 w0.127: pad.13@0,10 0.076,10 0.443,9.633 1.114,9.633 1.525,10.044 1.589,10.108 ccw(c1.435,10.261) 1.652,10.261 1.652,10.546 cw(c1.779,10.546) 1.906,10.546 1.906,10.346 ccw(c2.033,10.346) 2.033,10.219 2.225,10.219 2.295,10.219 2.426,10.35 v1(2.5,10.35)
USB0_P: pad.14 U1.B13 | length 4.2
  Top Layer w0.127: v1(3.175,10.35) 3.188,10.35 3.488,10.65 U1.B13@3.5,10.65
  SIG1 w0.127: pad.14@0,9 0.076,9 0.443,9.367 1.225,9.367 1.81,9.952 2.768,9.952 3.166,10.35 v1(3.175,10.35)
USB3_N: pad.15 U1.A12 | length 5.1
  Top Layer w0.127: v1(2.5,9.6) 2.5,9.625 2.85,9.975 U1.A12@2.85,10
  SIG1 w0.127: pad.15@0,8 0.076,8 0.443,7.633 1.041,7.633 1.94,8.532 1.985,8.577 ccw(c1.895,8.667) 1.985,8.757 1.867,8.875 cw(c1.956,8.965) 1.867,9.055 cw(c1.956,8.965) 2.046,9.055 2.165,8.936 ccw(c2.254,9.026) 2.344,8.936 2.55,9.143 2.692,9.284 2.692,9.389 2.5,9.581 v1(2.5,9.6)
USB3_P: pad.16 U1.B12 | length 4.9
  Top Layer w0.127: v1(3.15,9.6) 3.15,9.625 3.5,9.975 U1.B12@3.5,10
  SIG1 w0.127: pad.16@0,7 0.076,7 0.443,7.367 1.152,7.367 2.958,9.173 2.958,9.389 3.15,9.581 v1(3.15,9.6)
VCC18-RTC: C60.2 pad.94 R14.1 U1.F20 | length 19.6
  Top Layer w0.254: v1(5.981,15.362) 5.981,15.326 6.1,15.207 U1.F20@6.1,15.2 ; v1(13.433,18.2) C60.2@13.433,18.875
  GND1 w0.254: v1(5.981,15.362) 5.557,15.786 5.557,21.595 6,22.038 pad.94@6,24
  PWR w0.254: v1(5.981,15.362) 5.557,15.786 5.557,16.215 6.367,17.025 9.2,17.025 9.959,17.784 13.059,17.784 13.36,18.085 13.36,18.087 13.433,18.16 v1(13.433,18.2)
VCC-DRAM: C31.2 C32.2 C33.2 C34.2 C35.2 C36.2 C37.2 C38.2 C65.2 C66.2 C67.2 pad.34 pad.35 R17.2 U1.U8 U1.U13 U1.U14 U1.U16 U1.V9 U1.V10 U1.V11 U1.V15 U2.A1 U2.A8 U2.B2 U2.C1 U2.C9 U2.D2 U2.D9 U2.E9 U2.F1 U2.G7 U2.H2 U2.H9 U2.K2 U2.K8 U2.N1 U2.N9 U2.R1 U2.R9 | length 24.2
  Top Layer w0.127: U2.K8@27.4,8.8 27.455,8.8 27.855,9.2 v1(28.481,9.2)
  Top Layer w0.254: v1(13.25,7.4) U1.V9@13.9,8.05 ; C34.2@20.325,6.075 20.825,6.075 20.925,5.975 v1(21.375,5.975) U2.N1@21.8,6.4 ; v1(21.375,4.375) U2.R1@21.8,4.8 ; v1(21.375,16.425) U2.A1@21.8,16 ; U2.B2@22.6,15.2 v1(23.025,15.625) ; U2.G7@26.594,11.206 v1(26.85,10.95)
  Top Layer w0.305: v1(13.25,12.6) U1.V15@13.9,11.95 v1(13.25,11.3) v1(13.25,10.65) v1(13.9,10) v1(13.9,9.35) U1.V9@13.9,8.05 ; R17.2@19.233,6.9 20.058,6.075 C34.2@20.325,6.075 ; C37.2@20.275,12.858 20.275,12.871 21.8,14.396 U2.C1@21.8,14.4 U2.D2@22.588,13.613 ; C35.2@20.275,16.05 20.275,16.063 20.393,16.18 20.405,16.18 20.65,16.425 v1(21.375,16.425) ; v1(22.2,8.4) U2.K2@22.6,8.8 ; U2.D2@22.6,13.6 U2.D2@22.588,13.613 ; v1(22.612,13.637) U2.D2@22.588,13.613 ; v1(28.2,4.8) 29.089,3.911 29.521,3.911 C36.2@29.6,3.833 ; C65.2@29.55,12.625 28.401,12.625 28.226,12.8 v1(28.2,12.8) v1(28.2,13.6) v1(28.2,14.4) C38.2@29.55,14.4
  other v1: 28.2,6.4 13.9,8.7 22.6,10.374 28.2,10.4 21.8,12 27.4,16
VDD09-HDMI: C19.2 C24.2 C30.2 C54.2 C57.2 C61.2 C68.2 pad.29@9,0 pad.30 U1.D18 U1.G12 U1.G13 U1.G14 U1.G16 U1.H13 U1.H14 U1.J13 U1.J14 | length 12.7
  Top Layer w0.305: v1(6.75,10) v1(6.75,10.65) ; v1(6.75,10.65) v1(7.4,10.65) ; v1(6.75,10.65) v1(6.75,11.3) v1(7.4,11.3) ; v1(7.4,10.65) v1(8.05,10.65) v1(8.05,11.3) v1(7.4,11.3) ; v1(7.4,10.65) v1(7.4,11.3)
  Bottom Layer w0.305: C57.2@5.25,13.833 5.192,13.891 4.809,13.891 v1(4.8,13.9) 4.8,13.888 4.778,13.865 4.6,13.687 4.6,10.75 5.221,10.129 5.977,10.129 6.01,10.097 6.653,10.097 v1(6.75,10) ; v1(6.75,11.3) v1(6.75,12.6)
VDD-CPU: C20.2 C21.2 C22.2 C23.2 pad.26 pad.27 U1.L16 U1.L17 U1.M16 U1.M17 U1.N16 U1.N17 U1.P15 U1.P16 U1.P17 | length 7.6
  Top Layer w0.305: v1(10,13.25) v1(10,12.6) ; v1(10.65,13.25) v1(10.65,12.6) ; v1(11.3,11.95) v1(11.3,12.6) ; v1(10,12.6) v1(9.35,12.6) v1(9.35,13.25) U1.P17@11.3,13.25 v1(11.3,12.6) ; v1(10,12.6) v1(10.65,12.6) ; v1(10.65,12.6) v1(11.3,12.6)
  Bottom Layer w0.305: C22.2@9.133,12.275 9.146,12.275 9.263,12.393 9.263,12.501 9.35,12.588 v1(9.35,12.6)
VDD-CPUFB: pad.29@8,0 U1.R16 U1.T17 | length 21.4
  Top Layer w0.254: U1.R16@11.941,12.591 U1.T17@12.6,13.25 U1.R16@11.95,12.6
  SIG1 w0.254: pad.29@8,0 8,0.17 7.648,0.522 7.648,3.81 7.816,3.978 7.816,4.322 5.384,6.754 5.384,7.396 5.684,7.696 5.684,8.996 6.204,9.516 6.204,11.342 6.578,11.716 10.822,11.716 11.004,11.534 11.472,11.534 11.9,11.962 v1(11.9,12.55)
VDD-GPU: C25.2 C26.2 C27.2 C28.2 pad.31 pad.32 U1.L8 U1.M8 U1.M9 U1.N8 U1.N9 U1.P8 U1.P9 | length 5.2
  Top Layer w0.305: v1(9.35,7.4) v1(10,7.4) ; v1(10,7.4) v1(10.65,7.4) ; v1(10,7.4) v1(10,8.05) v1(10.65,8.05) ; v1(10.65,7.4) v1(11.3,7.4) v1(11.3,8.05) v1(10.65,8.05) ; v1(10.65,7.4) v1(10.65,8.05)
VDD-GPUFB: pad.33 U1.R7 | length 7.2
  PWR w0.305: v1(11.95,6.75) 12.484,6.216 12.484,3.642 13,3.126 pad.33@13,0
VRA1: C44.2 U1.C4 | length 3.9
  Top Layer w0.127: C44.2@1.833,7.5 2.039,7.294 2.07,7.294 3.198,6.166 3.198,5.339 3.425,5.112 3.838,5.112 U1.C4@4.15,4.8
VRA2: C43.2 U1.D4 | length 4.6
  SIG2 w0.254: v1(4.447,1.5) 3.475,2.472 3.475,4.063 4.212,4.8 v1(4.8,4.8)
WIFI-PWR-EN: pad.58 U1.F8 | length 34.7
  Top Layer w0.127: v1(5.8,7.1) U1.F8@6.1,7.4
  SIG1 w0.127: v1(5.8,7.1) 6.552,7.1 7.199,6.452 8.248,6.452 8.858,5.842 9.549,5.842 13.41,1.981 29.006,1.981 30.05,3.025 30.05,9.2 30.85,10 pad.58@31,10
WL-REG-ON: pad.53 U1.M22 | length 36.9
  Top Layer w0.127: U1.M22@10,16.5 10.025,16.5 10.15,16.625 v1(10.175,16.625)
  SIG2 w0.127: v1(10.175,16.625) 10.101,16.625 9.901,16.425 9.527,16.425 9.278,16.674 9.278,17.229 9.353,17.304 9.353,18.396 9.789,18.832 11.049,18.832 11.165,18.948 27.408,18.948 28.977,17.378 28.977,14.346 29.475,13.848 29.475,6.375 30.85,5 pad.53@31,5
WL-SDIO-CLK: pad.50 U1.J2 | length 24.7
  Top Layer w0.127: U1.J2@8.05,3.5 8.05,3.488 8.375,3.163 v1(8.375,3.15)
  Bottom Layer w0.127: v1(8.375,3.15) 11.645,3.15 14.12,0.675 28.83,0.675 30.155,2 pad.50@31,2
WL-SDIO-CMD: pad.51 U1.J3 | length 25.2
  Top Layer w0.127: U1.J3@8.05,4.15 v1(8.375,3.825)
  Bottom Layer w0.127: v1(8.375,3.825) 8.834,3.366 11.734,3.366 14.209,0.891 28.741,0.891 30.85,3 pad.51@31,3
WL-SDIO-D0: pad.47 U1.J5 | length 21.3
  Top Layer w0.127: U1.J5@8.051,5.45 v1(8.35,5.152)
  SIG1 w0.127: v1(8.35,5.152) 9.325,4.177 10.298,4.177 13.15,1.325 25.825,1.325 27,0.15 pad.47@27,0
WL-SDIO-D1: pad.46 U1.H2 | length 22
  Top Layer w0.127: U1.H2@7.4,3.5 7.752,3.853 7.752,4.266 7.929,4.443 10.121,4.443 10.292,4.271 10.292,3.958 10.457,3.793 11.421,3.793 11.592,3.621 11.592,2.458 13.159,0.891 25.259,0.891 26,0.15 pad.46@26,0
WL-SDIO-D2: pad.49 U1.L5 | length 22
  SIG1 w0.127: v1(9.35,5.45) 9.356,5.444 9.642,5.444 13.32,1.765 27.385,1.765 29,0.15 pad.49@29,0
WL-SDIO-D3: pad.48 U1.H5 | length 23.2
  Top Layer w0.127: U1.H5@7.4,5.45 7.425,5.45 7.682,5.193 v1(7.707,5.193)
  SIG1 w0.127: v1(7.707,5.193) 8.064,5.55 8.525,5.55 9.525,4.55 10.23,4.55 13.239,1.541 26.609,1.541 28,0.15 pad.48@28,0
WL-WAKE-AP: pad.54 U1.L20 | length 38.1
  Top Layer w0.127: v1(9.125,15) 9.138,15 9.337,15.2 U1.L20@9.35,15.2
  SIG2 w0.127: v1(9.125,15) 9.153,15 9.6,15.447 9.6,16.025 8.648,16.977 8.648,17.996 9.824,19.172 10.378,19.172 10.502,19.048 10.96,19.048 11.076,19.164 27.497,19.164 29.193,17.467 29.193,14.435 29.691,13.938 29.691,7.159 30.85,6 pad.54@31,6
X32KI: C6.1 R9.2 U1.F23 X2.4 | length 7.3
  Top Layer w0.127: U1.F23@6.1,17.15 6.573,17.623 7.007,17.623 7.75,18.366 7.75,20.17 R9.2@8.7,21.12 ; R9.2@8.7,21.133 R9.2@8.7,21.12 ; C6.1@9.867,22 9.867,21.142 X2.4@9.85,21.125 8.705,21.125 R9.2@8.7,21.12
X32KO: C7.1 R9.1 U1.F22 X2.1 | length 6.9
  Top Layer w0.127: U1.F22@6.1,16.5 6.129,16.529 6.219,16.529 8.05,18.361 8.05,19.604 8.7,20.254 R9.1@8.7,20.267 9.842,20.267 X2.1@9.85,20.275 9.867,20.258 C7.1@9.867,19.4
pads on no net: U1.A3 U1.A5 U1.A6 U1.A8 U1.A9 U1.A10 U1.A14 U1.AA1 U1.AA2 U1.AB1 U1.AB2 U1.AB4 U1.AB5 U1.AB6 U1.AB7 U1.AB8 U1.AB9 U1.AB10 U1.AB11 U1.AC2 U1.AC3 U1.AC4 U1.AC6 U1.AC7 U1.AC8 U1.AC9 U1.AC10 U1.B1 U1.B2 U1.B5 U1.B6 U1.B7 U1.B8 U1.B9 U1.B10 U1.B14 U1.B15 U1.B16 U1.C5 U1.C15 U1.C16 U1.C23 U1.D15 U1.D16 U1.E17 U1.E21 U1.E22 U1.F11 U1.G10 U1.H17 U1.H19 U1.H20 U1.L2 U1.L6 U1.M2 U1.M3 U1.M4 U1.M5 U1.M6 U1.N2 U1.N3 U1.P1 U1.P2 U1.P3 U1.P5 U1.P6 U1.P21 U1.P22 U1.R21 U1.T1 U1.T2 U1.T20 U1.U4 U1.V2 U1.V3 U1.V21 U1.V22 U1.V23 U1.W4 U1.W11 U1.Y1 U1.Y2 U1.Y21

## Polygon pours and split planes (outlines as drawn)
GND on PWR "GND_L05_P019" (solid, pour order 19): 1,0 0,1 0,23 1,24 30,24 31,23 31,1 30,0
VCC-DRAM on PWR "VCC-DRAM_L05_P015" (solid, pour order 15): 13.325,-0.125 15.5,-0.125 15.5,1.05 16.25,1.8 27.85,1.8 29.253,3.203 29.253,16.397 26.8,18.85 14.825,18.85 12.675,16.7 12.675,3.699 13.325,3.049
VDD-CPU on PWR "VDD-CPU_L05_P006" (solid, pour order 6): 10.95,14.1 11.775,13.275 11.775,11.875 11.45,11.55 8.475,11.55 8.2,11.825 6.025,11.825 5.2,11 5.2,6.05 7.6,3.65 7.6,-0.125 3.4,-0.125 1.9,1 1,11.675 3.425,14.1
VDD-GPU on PWR "VDD-GPU_L05_P001" (solid, remove dead copper, pour order 1): 10.475,-0.125 12.675,-0.125 12.675,7.175 11.425,8.425 9.325,8.425 8.925,8.025 8.925,6.425 10.475,4.875
VDD09-HDMI on PWR "VDD09-HDMI_L05_P004" (solid, pour order 4): 10.475,-0.125 10.475,4.875 7.8,7.55 7.8,9.675 8.575,10.45 8.575,11.275 8.15,11.7 6.1,11.7 5.475,11.075 5.475,6.35 7.65,4.175 7.65,-0.125
GND on GND1 "GND_L02_P008" (solid, remove dead copper, pour order 8): 1,0 0,1 0,23 1,24 30,24 31,23 31,1 30,0
GND on SIG1 "GND_L03_P011" (solid, remove dead copper, pour order 11): 1,0 0,1 0,23 1,24 30,24 31,23 31,1 30,0
GND on SIG2 "GND_L04_P012" (solid, remove dead copper, pour order 12): 1,0 0,1 0,23 1,24 30,24 31,23 31,1 30,0
GND on Top Layer "GND_L01_P018" (solid, remove dead copper, pour order 18): 1,0 0,1 0,23 1,24 30,24 31,23 31,1 30,0
GND on Bottom Layer "GND_L06_P013" (solid, remove dead copper, pour order 13): 1,0 0,1 0,23 1,24 30,24 31,23 31,1 30,0

## Silkscreen, mask and mechanical layers (free items; w line width, h text height)
Top Overlay:
  drawing of 5 lines, arcs and shapes, not listed
  text "BlueberryPi Core" at 19.537,19.5 h1
  text "by 宝哥" at 26.125,18.283 h1.4
  text "www.cmder.xyz" at 23.4,17.213 h1
Bottom Overlay:
  drawing of 9 lines, arcs and shapes, not listed
  text "Version 1.1" at 20.096,16.129 h1.52
Mechanical 1:
  the board outline again, w0.254